# Altium PCB DL-5新款球锁 - 拼板-20201231.PcbDoc (part 8 of 9) (continued)
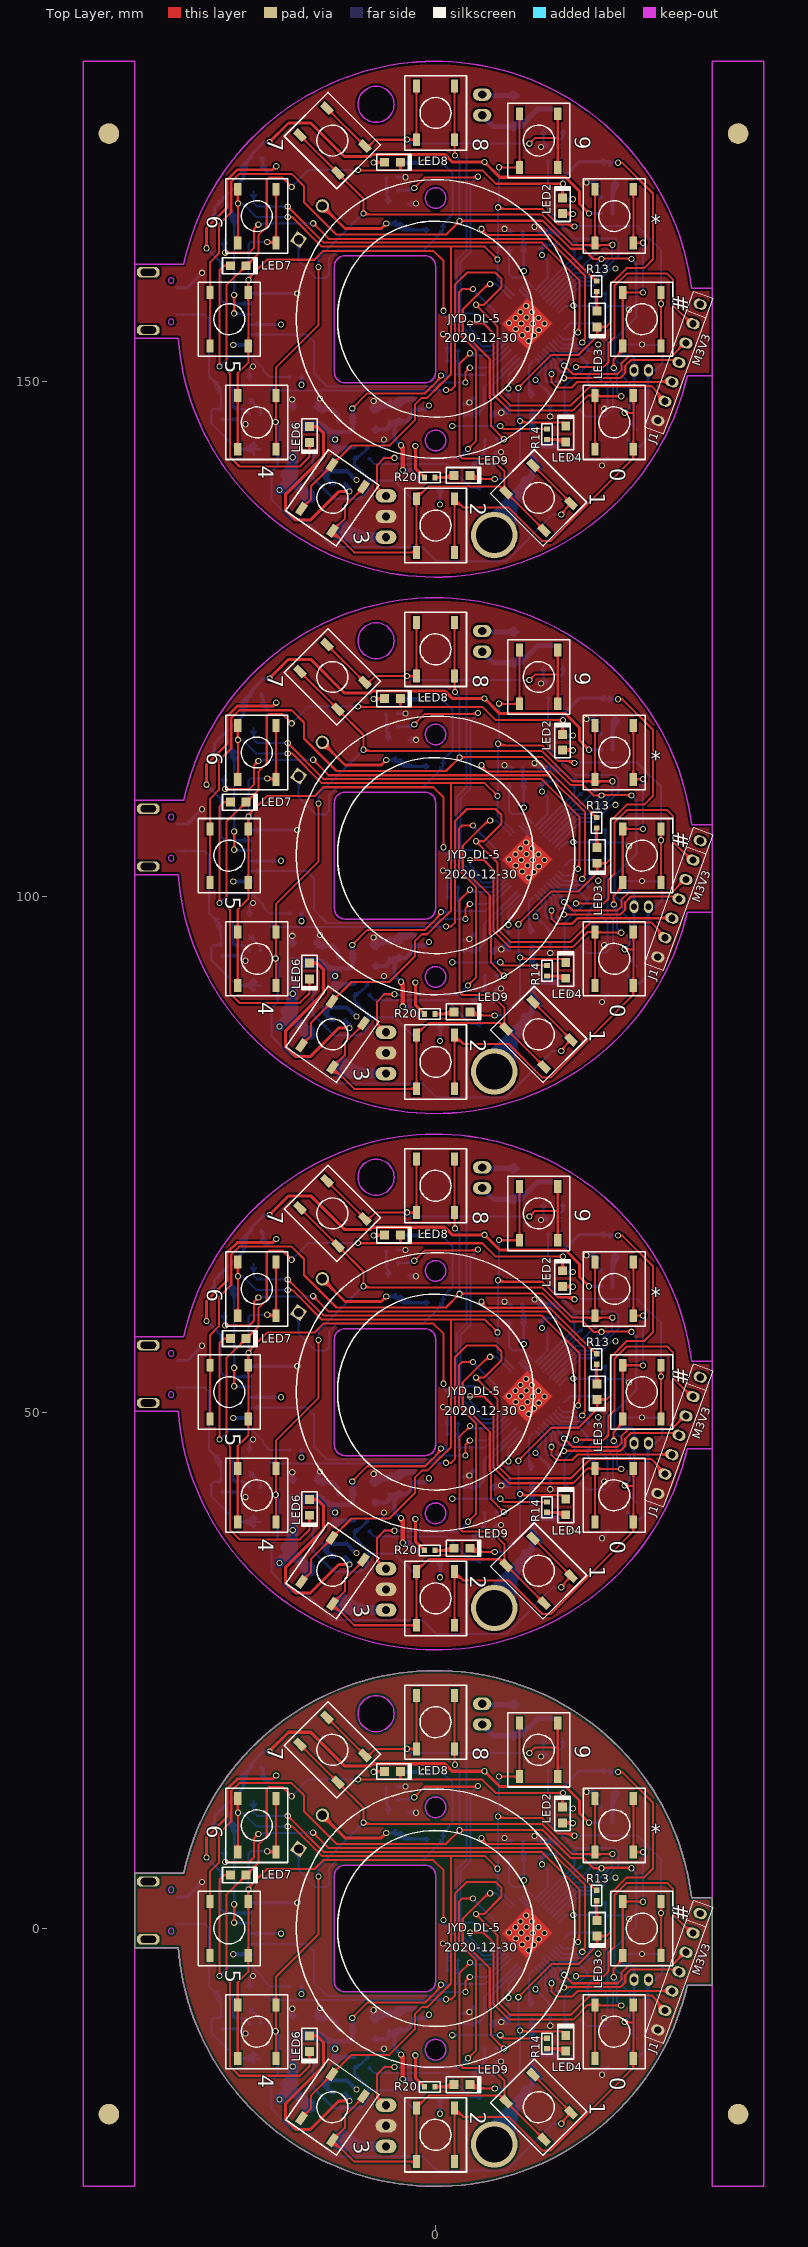
[diagram p0: Top Layer view]
## Nets (pads, with @x,y where several pads share a name; then routed paths per layer and width w, separated by ;. In a path a pad name is that pad's centre, name@x,y a point inside that pad or via, vN(x,y) a via of type N, cw(c..) or ccw(c..) an arc to the next point about the centre after c; other vN are vias at no path point) (continued)
VDD: C28.2 C33.2 C35.2 C36.2 C44.2 L3.2 U1.1 U1.34 U1.47 | length 111.1
  Bottom Layer w0.2: v2@6.915,-6.564 ccw(c6.574,-6.223) 7.057,-6.223 ccw(c7.54,-6.223) v2@7.198,-6.564 ; v2@6.915,45.436 ccw(c6.574,45.777) 7.057,45.777 ccw(c7.54,45.777) v2@7.198,45.436 ; v2@6.915,97.436 ccw(c6.574,97.777) 7.057,97.777 ccw(c7.54,97.777) v2@7.198,97.436 ; v2@6.915,149.436 ccw(c6.574,149.777) 7.057,149.777 ccw(c7.54,149.777) v2@7.198,149.436 ; v2(7.057,-6.706) 7.057,-5.423 U1.1@8.416,-4.063 ; v2(7.057,45.294) 7.057,46.577 U1.1@8.416,47.937 ; v2(7.057,97.294) 7.057,98.577 U1.1@8.416,99.937 ; v2(7.057,149.294) 7.057,150.577 U1.1@8.416,151.937 ; v1@9.595,-5.722 ccw(c9.482,-5.537) 9.698,-5.537 ; v1@9.595,46.278 ccw(c9.482,46.463) 9.698,46.463 ; v1@9.595,98.278 ccw(c9.482,98.463) 9.698,98.463 ; v1@9.595,150.278 ccw(c9.482,150.463) 9.698,150.463 ; U1.47@9.689,-3.781 10.257,-4.349 10.257,-4.978 9.698,-5.537 ; U1.47@9.689,48.219 10.257,47.651 10.257,47.022 9.698,46.463 ; U1.47@9.689,100.219 10.257,99.651 10.257,99.022 9.698,98.463 ; U1.47@9.689,152.219 10.257,151.651 10.257,151.022 9.698,150.463 ; v1(9.698,-5.893) 9.698,-5.537 ; v1(9.698,46.107) 9.698,46.463 ; v1(9.698,98.107) 9.698,98.463 ; v1(9.698,150.107) 9.698,150.463 ; v1@9.802,-5.722 cw(c9.915,-5.537) 9.698,-5.537 ; v1@9.802,46.278 cw(c9.915,46.463) 9.698,46.463 ; v1@9.802,98.278 cw(c9.915,98.463) 9.698,98.463 ; v1@9.802,150.278 cw(c9.915,150.463) 9.698,150.463 ; U1.34@11.952,0.603 12.644,1.295 15.413,1.295 C35.2@15.439,1.27 C36.2@15.439,2.621 ; U1.34@11.952,52.603 12.644,53.295 15.413,53.295 C35.2@15.439,53.27 C36.2@15.439,54.621 ; U1.34@11.952,104.603 12.644,105.295 15.413,105.295 C35.2@15.439,105.27 C36.2@15.439,106.621 ; U1.34@11.952,156.603 12.644,157.295 15.413,157.295 C35.2@15.439,157.27 C36.2@15.439,158.621 ; 12.812,1.295 ccw(c12.812,1.865) v2@13.215,1.462 ; 12.812,53.295 ccw(c12.812,53.865) v2@13.215,53.462 ; 12.812,105.295 ccw(c12.812,105.865) v2@13.215,105.462 ; 12.812,157.295 ccw(c12.812,157.865) v2@13.215,157.462 ; 12.935,1.295 cw(c12.935,0.899) v2@13.215,1.179 ; 12.935,53.295 cw(c12.935,52.899) v2@13.215,53.179 ; 12.935,105.295 cw(c12.935,104.899) v2@13.215,105.179 ; 12.935,157.295 cw(c12.935,156.899) v2@13.215,157.179 ; v2@13.498,1.179 cw(c13.778,0.899) 13.778,1.295 ; v2@13.498,1.462 ccw(c13.9,1.865) 13.9,1.295 ; v2@13.498,53.179 cw(c13.778,52.899) 13.778,53.295 ; v2@13.498,53.462 ccw(c13.9,53.865) 13.9,53.295 ; v2@13.498,105.179 cw(c13.778,104.899) 13.778,105.295 ; v2@13.498,105.462 ccw(c13.9,105.865) 13.9,105.295 ; v2@13.498,157.179 cw(c13.778,156.899) 13.778,157.295 ; v2@13.498,157.462 ccw(c13.9,157.865) 13.9,157.295 ; C35.2@15.33,1.187 ccw(c15.067,0.924) 15.067,1.295 ccw(c15.067,1.667) 15.33,1.404 ccw(c15.067,1.667) 15.439,1.667 ccw(c15.811,1.667) C35.2@15.548,1.404 ; C36.2@15.33,2.487 cw(c15.067,2.224) 15.439,2.224 cw(c15.811,2.224) C36.2@15.548,2.487 ; C35.2@15.33,53.187 ccw(c15.067,52.924) 15.067,53.295 ccw(c15.067,53.667) 15.33,53.404 ccw(c15.067,53.667) 15.439,53.667 ccw(c15.811,53.667) C35.2@15.548,53.404 ; C36.2@15.33,54.487 cw(c15.067,54.224) 15.439,54.224 cw(c15.811,54.224) C36.2@15.548,54.487 ; C35.2@15.33,105.187 ccw(c15.067,104.924) 15.067,105.295 ccw(c15.067,105.667) 15.33,105.404 ccw(c15.067,105.667) 15.439,105.667 ccw(c15.811,105.667) C35.2@15.548,105.404 ; C36.2@15.33,106.487 cw(c15.067,106.224) 15.439,106.224 cw(c15.811,106.224) C36.2@15.548,106.487 ; C35.2@15.33,157.187 ccw(c15.067,156.924) 15.067,157.295 ccw(c15.067,157.667) 15.33,157.404 ccw(c15.067,157.667) 15.439,157.667 ccw(c15.811,157.667) C35.2@15.548,157.404 ; C36.2@15.33,158.487 cw(c15.067,158.224) 15.439,158.224 cw(c15.811,158.224) C36.2@15.548,158.487
  Bottom Layer w0.254: v2@6.935,-6.828 cw(c6.639,-7.123) 7.057,-7.123 cw(c7.475,-7.123) v2@7.179,-6.828 ; v2@6.935,45.172 cw(c6.639,44.877) 7.057,44.877 cw(c7.475,44.877) v2@7.179,45.172 ; v2@6.935,97.172 cw(c6.639,96.877) 7.057,96.877 cw(c7.475,96.877) v2@7.179,97.172 ; v2@6.935,149.172 cw(c6.639,148.877) 7.057,148.877 cw(c7.475,148.877) v2@7.179,149.172 ; C33.2@6.967,-7.454 ccw(c6.75,-7.237) 7.057,-7.237 ccw(c7.363,-7.237) C33.2@7.147,-7.454 ; C33.2@6.967,44.546 ccw(c6.75,44.763) 7.057,44.763 ccw(c7.363,44.763) C33.2@7.147,44.546 ; C33.2@6.967,96.546 ccw(c6.75,96.763) 7.057,96.763 ccw(c7.363,96.763) C33.2@7.147,96.546 ; C33.2@6.967,148.546 ccw(c6.75,148.763) 7.057,148.763 ccw(c7.363,148.763) C33.2@7.147,148.546 ; C33.2@7.057,-7.544 v2(7.057,-6.706) ; C33.2@7.057,44.456 v2(7.057,45.294) ; C33.2@7.057,96.456 v2(7.057,97.294) ; C33.2@7.057,148.456 v2(7.057,149.294) ; L3.2@8.362,6.742 cw(c7.896,6.276) 8.555,6.276 cw(c9.215,6.276) L3.2@8.749,6.742 ; L3.2@8.362,7.228 ccw(c8.142,7.449) 8.454,7.449 ; L3.2@8.362,58.742 cw(c7.896,58.276) 8.555,58.276 cw(c9.215,58.276) L3.2@8.749,58.742 ; L3.2@8.362,59.228 ccw(c8.142,59.449) 8.454,59.449 ; L3.2@8.362,110.742 cw(c7.896,110.276) 8.555,110.276 cw(c9.215,110.276) L3.2@8.749,110.742 ; L3.2@8.362,111.228 ccw(c8.142,111.449) 8.454,111.449 ; L3.2@8.362,162.742 cw(c7.896,162.276) 8.555,162.276 cw(c9.215,162.276) L3.2@8.749,162.742 ; L3.2@8.362,163.228 ccw(c8.142,163.449) 8.454,163.449 ; C44.2@8.364,8.394 cw(c8.147,8.177) 8.454,8.177 cw(c8.76,8.177) C44.2@8.544,8.394 ; C44.2@8.364,60.394 cw(c8.147,60.177) 8.454,60.177 cw(c8.76,60.177) C44.2@8.544,60.394 ; C44.2@8.364,112.394 cw(c8.147,112.177) 8.454,112.177 cw(c8.76,112.177) C44.2@8.544,112.394 ; C44.2@8.364,164.394 cw(c8.147,164.177) 8.454,164.177 cw(c8.76,164.177) C44.2@8.544,164.394 ; v2@8.433,4.796 ccw(c8.138,5.091) 8.555,5.091 ccw(c8.973,5.091) v2@8.678,4.796 ; v2@8.433,56.796 ccw(c8.138,57.091) 8.555,57.091 ccw(c8.973,57.091) v2@8.678,56.796 ; v2@8.433,108.796 ccw(c8.138,109.091) 8.555,109.091 ccw(c8.973,109.091) v2@8.678,108.796 ; v2@8.433,160.796 ccw(c8.138,161.091) 8.555,161.091 ccw(c8.973,161.091) v2@8.678,160.796 ; 8.454,7.939 ccw(c9.46,7.939) L3.2@8.749,7.228 ; C44.2@8.454,8.509 8.454,7.087 L3.2@8.555,6.985 v2(8.555,4.674) ; 8.454,59.939 ccw(c9.46,59.939) L3.2@8.749,59.228 ; C44.2@8.454,60.509 8.454,59.087 L3.2@8.555,58.985 v2(8.555,56.674) ; 8.454,111.939 ccw(c9.46,111.939) L3.2@8.749,111.228 ; C44.2@8.454,112.509 8.454,111.087 L3.2@8.555,110.985 v2(8.555,108.674) ; 8.454,163.939 ccw(c9.46,163.939) L3.2@8.749,163.228 ; C44.2@8.454,164.509 8.454,163.087 L3.2@8.555,162.985 v2(8.555,160.674) ; v1@9.698,-6.066 cw(c9.698,-6.483) 9.994,-6.188 cw(c10.289,-5.893) v1@9.871,-5.893 ; v1(9.698,-5.893) 11.121,-7.315 C28.2@11.121,-7.442 ; v1@9.698,45.934 cw(c9.698,45.517) 9.994,45.812 cw(c10.289,46.107) v1@9.871,46.107 ; v1(9.698,46.107) 11.121,44.685 C28.2@11.121,44.558 ; v1@9.698,97.934 cw(c9.698,97.517) 9.994,97.812 cw(c10.289,98.107) v1@9.871,98.107 ; v1(9.698,98.107) 11.121,96.685 C28.2@11.121,96.558 ; v1@9.698,149.934 cw(c9.698,149.517) 9.994,149.812 cw(c10.289,150.107) v1@9.871,150.107 ; v1(9.698,150.107) 11.121,148.685 C28.2@11.121,148.558 ; 10.771,-6.965 cw(c10.294,-7.442) C28.2@10.968,-7.442 ; 10.771,45.035 cw(c10.294,44.558) C28.2@10.968,44.558 ; 10.771,97.035 cw(c10.294,96.558) C28.2@10.968,96.558 ; 10.771,149.035 cw(c10.294,148.558) C28.2@10.968,148.558
  other v2: 13.356,1.321 13.356,53.321 13.356,105.321 13.356,157.321
VDD3V3: Q2.D Q3.G Q4.G R41.2 R44.2 R53.1 | length 246.5
  Top Layer w0.3: v1(-16.108,17.17) -14.254,19.025 -12.095,19.025 -8.841,15.771 -6.308,15.771 -6.102,15.976 0.883,15.976 1.614,15.245 v1(4.739,15.245) 6.218,13.766 8.633,13.766 ; v1@-16.108,17.32 ccw(c-16.108,17.683) -15.852,17.426 ccw(c-15.596,17.17) v1@-15.958,17.17 ; v1(-16.108,69.17) -14.254,71.025 -12.095,71.025 -8.841,67.771 -6.308,67.771 -6.102,67.976 0.883,67.976 1.614,67.245 v1(4.739,67.245) 6.218,65.766 8.633,65.766 ; v1@-16.108,69.32 ccw(c-16.108,69.683) -15.852,69.426 ccw(c-15.596,69.17) v1@-15.958,69.17 ; v1(-16.108,121.17) -14.254,123.025 -12.095,123.025 -8.841,119.771 -6.308,119.771 -6.102,119.976 0.883,119.976 1.614,119.245 v1(4.739,119.245) 6.218,117.766 8.633,117.766 ; v1@-16.108,121.32 ccw(c-16.108,121.683) -15.852,121.426 ccw(c-15.596,121.17) v1@-15.958,121.17 ; v1(-16.108,173.17) -14.254,175.025 -12.095,175.025 -8.841,171.771 -6.308,171.771 -6.102,171.976 0.883,171.976 1.614,171.245 v1(4.739,171.245) 6.218,169.766 8.633,169.766 ; v1@-16.108,173.32 ccw(c-16.108,173.683) -15.852,173.426 ccw(c-15.596,173.17) v1@-15.958,173.17 ; v1@4.632,15.139 ccw(c4.376,14.883) 4.376,15.245 ccw(c4.376,15.607) v1@4.632,15.351 ; v1@4.632,67.139 ccw(c4.376,66.883) 4.376,67.245 ccw(c4.376,67.607) v1@4.632,67.351 ; v1@4.632,119.139 ccw(c4.376,118.883) 4.376,119.245 ccw(c4.376,119.607) v1@4.632,119.351 ; v1@4.632,171.139 ccw(c4.376,170.883) 4.376,171.245 ccw(c4.376,171.607) v1@4.632,171.351 ; v1@4.739,15.095 cw(c4.739,14.733) 4.995,14.989 cw(c5.251,15.245) v1@4.889,15.245 ; v1@4.739,67.095 cw(c4.739,66.733) 4.995,66.989 cw(c5.251,67.245) v1@4.889,67.245 ; v1@4.739,119.095 cw(c4.739,118.733) 4.995,118.989 cw(c5.251,119.245) v1@4.889,119.245 ; v1@4.739,171.095 cw(c4.739,170.733) 4.995,170.989 cw(c5.251,171.245) v1@4.889,171.245 ; 8.634,13.767 11.359,13.767 ; 8.634,65.767 11.359,65.767 ; 8.634,117.767 11.359,117.767 ; 8.634,169.767 11.359,169.767 ; 11.36,13.766 12.597,13.766 13.961,12.402 13.961,11.181 v1(14.88,10.262) ; 11.36,65.766 12.597,65.766 13.961,64.402 13.961,63.181 v1(14.88,62.262) ; 11.36,117.766 12.597,117.766 13.961,116.402 13.961,115.181 v1(14.88,114.262) ; 11.36,169.766 12.597,169.766 13.961,168.402 13.961,167.181 v1(14.88,166.262) ; v1@14.73,10.262 ccw(c14.368,10.262) 14.624,10.518 ccw(c14.88,10.774) v1@14.88,10.412 ; v1@14.73,62.262 ccw(c14.368,62.262) 14.624,62.518 ccw(c14.88,62.774) v1@14.88,62.412 ; v1@14.73,114.262 ccw(c14.368,114.262) 14.624,114.518 ccw(c14.88,114.774) v1@14.88,114.412 ; v1@14.73,166.262 ccw(c14.368,166.262) 14.624,166.518 ccw(c14.88,166.774) v1@14.88,166.412
  Bottom Layer w0.3: Q3.G@-21.644,9.971 ccw(c-22.168,10.495) -21.427,10.495 ccw(c-20.685,10.495) Q3.G@-21.209,9.971 ; Q3.G@-21.644,61.971 ccw(c-22.168,62.495) -21.427,62.495 ccw(c-20.685,62.495) Q3.G@-21.209,61.971 ; Q3.G@-21.644,113.971 ccw(c-22.168,114.495) -21.427,114.495 ccw(c-20.685,114.495) Q3.G@-21.209,113.971 ; Q3.G@-21.644,165.971 ccw(c-22.168,166.495) -21.427,166.495 ccw(c-20.685,166.495) Q3.G@-21.209,165.971 ; Q3.G@-21.427,9.754 -21.427,10.861 R41.2@-20.985,11.303 -20.375,11.912 -20.35,11.912 -18.607,13.655 Q4.G@-18.607,14.427 -18.607,15.001 ; Q3.G@-21.427,61.754 -21.427,62.861 R41.2@-20.985,63.303 -20.375,63.912 -20.35,63.912 -18.607,65.655 Q4.G@-18.607,66.427 -18.607,67.001 ; Q3.G@-21.427,113.754 -21.427,114.861 R41.2@-20.985,115.303 -20.375,115.912 -20.35,115.912 -18.607,117.655 Q4.G@-18.607,118.427 -18.607,119.001 ; Q3.G@-21.427,165.754 -21.427,166.861 R41.2@-20.985,167.303 -20.375,167.912 -20.35,167.912 -18.607,169.655 Q4.G@-18.607,170.427 -18.607,171.001 ; R41.2@-21.206,11.082 cw(c-20.985,10.861) R41.2@-20.985,11.174 ; R41.2@-21.206,63.082 cw(c-20.985,62.861) R41.2@-20.985,63.174 ; R41.2@-21.206,115.082 cw(c-20.985,114.861) R41.2@-20.985,115.174 ; R41.2@-21.206,167.082 cw(c-20.985,166.861) R41.2@-20.985,167.174 ; R41.2@-20.985,11.432 ccw(c-20.985,11.745) R41.2@-20.764,11.524 ; R41.2@-20.985,63.432 ccw(c-20.985,63.745) R41.2@-20.764,63.524 ; R41.2@-20.985,115.432 ccw(c-20.985,115.745) R41.2@-20.764,115.524 ; R41.2@-20.985,167.432 ccw(c-20.985,167.745) R41.2@-20.764,167.524 ; Q4.G@-18.896,14.38 cw(c-18.339,14.471) Q4.G@-18.738,14.87 ; Q4.G@-18.896,66.38 cw(c-18.339,66.471) Q4.G@-18.738,66.87 ; Q4.G@-18.896,118.38 cw(c-18.339,118.471) Q4.G@-18.738,118.87 ; Q4.G@-18.896,170.38 cw(c-18.339,170.471) Q4.G@-18.738,170.87 ; Q4.G@-18.825,14.21 cw(c-19.349,13.686) -18.607,13.686 cw(c-17.866,13.686) Q4.G@-18.39,14.21 ; Q4.G@-18.825,66.21 cw(c-19.349,65.686) -18.607,65.686 cw(c-17.866,65.686) Q4.G@-18.39,66.21 ; Q4.G@-18.825,118.21 cw(c-19.349,117.686) -18.607,117.686 cw(c-17.866,117.686) Q4.G@-18.39,118.21 ; Q4.G@-18.825,170.21 cw(c-19.349,169.686) -18.607,169.686 cw(c-17.866,169.686) Q4.G@-18.39,170.21 ; Q4.G@-18.778,14.683 ccw(c-18.99,15.001) -18.607,15.001 ; Q4.G@-18.778,66.683 ccw(c-18.99,67.001) -18.607,67.001 ; Q4.G@-18.778,118.683 ccw(c-18.99,119.001) -18.607,119.001 ; Q4.G@-18.778,170.683 ccw(c-18.99,171.001) -18.607,171.001 ; Q4.G@-18.6,14.428 cw(c-17.629,14.588) -18.325,15.284 ; Q4.G@-18.6,66.428 cw(c-17.629,66.588) -18.325,67.284 ; Q4.G@-18.6,118.428 cw(c-17.629,118.588) -18.325,119.284 ; Q4.G@-18.6,170.428 cw(c-17.629,170.588) -18.325,171.284 ; Q4.G@-18.437,14.683 cw(c-18.225,15.001) -18.607,15.001 ; Q4.G@-18.437,66.683 cw(c-18.225,67.001) -18.607,67.001 ; Q4.G@-18.437,118.683 cw(c-18.225,119.001) -18.607,119.001 ; Q4.G@-18.437,170.683 cw(c-18.225,171.001) -18.607,171.001 ; Q4.G@-18.304,14.477 cw(c-16.918,14.704) R44.2@-17.911,15.697 ; Q4.G@-18.304,66.477 cw(c-16.918,66.704) R44.2@-17.911,67.697 ; Q4.G@-18.304,118.477 cw(c-16.918,118.704) R44.2@-17.911,119.697 ; Q4.G@-18.304,170.477 cw(c-16.918,170.704) R44.2@-17.911,171.697 ; R44.2@-18.132,15.476 cw(c-17.911,15.255) R44.2@-17.911,15.568 ; R44.2@-18.132,67.476 cw(c-17.911,67.255) R44.2@-17.911,67.568 ; R44.2@-18.132,119.476 cw(c-17.911,119.255) R44.2@-17.911,119.568 ; R44.2@-18.132,171.476 cw(c-17.911,171.255) R44.2@-17.911,171.568 ; R44.2@-18.063,15.434 cw(c-17.808,15.287) R44.2@-17.884,15.571 ; R44.2@-18.063,67.434 cw(c-17.808,67.287) R44.2@-17.884,67.571 ; R44.2@-18.063,119.434 cw(c-17.808,119.287) R44.2@-17.884,119.571 ; R44.2@-18.063,171.434 cw(c-17.808,171.287) R44.2@-17.884,171.571 ; R44.2@-17.807,15.723 cw(c-17.127,15.723) -17.608,16.204 ; R44.2@-17.807,67.723 cw(c-17.127,67.723) -17.608,68.204 ; R44.2@-17.807,119.723 cw(c-17.127,119.723) -17.608,120.204 ; R44.2@-17.807,171.723 cw(c-17.127,171.723) -17.608,172.204 ; v1@-16.214,17.064 ccw(c-16.47,16.808) -16.47,17.17 ccw(c-16.47,17.533) v1@-16.214,17.276 ; v1@-16.214,69.064 ccw(c-16.47,68.808) -16.47,69.17 ccw(c-16.47,69.533) v1@-16.214,69.276 ; v1@-16.214,121.064 ccw(c-16.47,120.808) -16.47,121.17 ccw(c-16.47,121.533) v1@-16.214,121.276 ; v1@-16.214,173.064 ccw(c-16.47,172.808) -16.47,173.17 ccw(c-16.47,173.533) v1@-16.214,173.276 ; v1(-16.108,17.17) -16.641,17.17 -17.911,15.9 R44.2@-17.911,15.697 ; v1(-16.108,69.17) -16.641,69.17 -17.911,67.9 R44.2@-17.911,67.697 ; v1(-16.108,121.17) -16.641,121.17 -17.911,119.9 R44.2@-17.911,119.697 ; v1(-16.108,173.17) -16.641,173.17 -17.911,171.9 R44.2@-17.911,171.697 ; Q2.D@0.236,-16.676 cw(c-0.289,-17.201) 0.453,-17.201 cw(c1.195,-17.201) Q2.D@0.67,-16.676 ; Q2.D@0.236,35.324 cw(c-0.289,34.799) 0.453,34.799 cw(c1.195,34.799) Q2.D@0.67,35.324 ; Q2.D@0.236,87.324 cw(c-0.289,86.799) 0.453,86.799 cw(c1.195,86.799) Q2.D@0.67,87.324 ; Q2.D@0.236,139.324 cw(c-0.289,138.799) 0.453,138.799 cw(c1.195,138.799) Q2.D@0.67,139.324 ; v1@0.321,-17.852 ccw(c0.004,-17.534) 0.453,-17.534 ; v1@0.321,34.148 ccw(c0.004,34.466) 0.453,34.466 ; v1@0.321,86.148 ccw(c0.004,86.466) 0.453,86.466 ; v1@0.321,138.148 ccw(c0.004,138.466) 0.453,138.466 ; v1(0.427,-17.958) 0.453,-17.932 Q2.D@0.453,-16.459 ; v1(0.427,34.042) 0.453,34.068 Q2.D@0.453,35.541 ; v1(0.427,86.042) 0.453,86.068 Q2.D@0.453,87.541 ; v1(0.427,138.042) 0.453,138.068 Q2.D@0.453,139.541 ; 0.453,-17.657 ccw(c0.728,-17.657) v1@0.534,-17.852 ; 0.453,34.343 ccw(c0.728,34.343) v1@0.534,34.148 ; 0.453,86.343 ccw(c0.728,86.343) v1@0.534,86.148 ; 0.453,138.343 ccw(c0.728,138.343) v1@0.534,138.148 ; v1@4.644,15.215 4.674,15.245 v1(4.739,15.245) ; v1@4.644,67.215 4.674,67.245 v1(4.739,67.245) ; v1@4.644,119.215 4.674,119.245 v1(4.739,119.245) ; v1@4.644,171.215 4.674,171.245 v1(4.739,171.245) ; v1(14.88,10.262) R53.1@16.15,10.262 ; v1(14.88,62.262) R53.1@16.15,62.262 ; v1(14.88,114.262) R53.1@16.15,114.262 ; v1(14.88,166.262) R53.1@16.15,166.262 ; v1@14.986,10.156 cw(c15.242,9.899) 15.242,10.262 cw(c15.242,10.624) v1@14.986,10.368 ; v1@14.986,62.156 cw(c15.242,61.899) 15.242,62.262 cw(c15.242,62.624) v1@14.986,62.368 ; v1@14.986,114.156 cw(c15.242,113.899) 15.242,114.262 cw(c15.242,114.624) v1@14.986,114.368 ; v1@14.986,166.156 cw(c15.242,165.899) 15.242,166.262 cw(c15.242,166.624) v1@14.986,166.368 ; -18.607,15.001 R44.2@-17.911,15.697 ; -18.607,67.001 R44.2@-17.911,67.697 ; -18.607,119.001 R44.2@-17.911,119.697 ; -18.607,171.001 R44.2@-17.911,171.697
pads on no net: J3.7 J3.8 P2.2 P2.3 P2.4 P2.6 P2.7 P2.8 P2.9 U1.14 U1.22 U1.35 U1.36 U1.38 UB1. UB1.3 UB1.7 Y2.3

## Polygon pours and split planes (outlines as drawn)
GND on Bottom Layer "Top Layer-No Net" (solid, remove dead copper, pour order 4): -31.246,181.933 26.335,181.933 28.012,180.257 28.012,132.226 25.7,129.914 -28.63,129.914 -31.246,132.53
GND on Bottom Layer "Top Layer-No Net" (solid, remove dead copper, pour order 4): -31.246,129.933 26.335,129.933 28.012,128.257 28.012,80.226 25.7,77.914 -28.63,77.914 -31.246,80.53
GND on Bottom Layer "Top Layer-No Net" (solid, remove dead copper, pour order 4): -31.246,77.933 26.335,77.933 28.012,76.257 28.012,28.226 25.7,25.914 -28.63,25.914 -31.246,28.53
GND on Bottom Layer "Top Layer-No Net" (solid, remove dead copper, pour order 4): -31.246,25.933 26.335,25.933 28.012,24.257 28.012,-23.774 25.7,-26.086 -28.63,-26.086 -31.246,-23.47
GND on Top Layer "Top Layer-No Net" (solid, remove dead copper, pour order 3): -31.251,181.933 26.331,181.933 28.008,180.257 28.008,132.226 25.696,129.914 -28.634,129.914 -31.251,132.53
GND on Top Layer "Top Layer-No Net" (solid, remove dead copper, pour order 3): -31.251,129.933 26.331,129.933 28.008,128.257 28.008,80.226 25.696,77.914 -28.634,77.914 -31.251,80.53
GND on Top Layer "Top Layer-No Net" (solid, remove dead copper, pour order 3): -31.251,77.933 26.331,77.933 28.008,76.257 28.008,28.226 25.696,25.914 -28.634,25.914 -31.251,28.53
GND on Top Layer "Top Layer-No Net" (solid, remove dead copper, pour order 3): -31.251,25.933 26.331,25.933 28.008,24.257 28.008,-23.774 25.696,-26.086 -28.634,-26.086 -31.251,-23.47
VDD3V3 on POWER (split plane): 14.628,4.724 14.628,-5.153 12.159,-7.622 7.487,-7.622 7.422,-7.63 7.369,-7.652 6.674,-6.957 6.674,3.429 6.674,4.798 7.136,5.26 14.628,5.26
VDD3V3 on POWER (split plane): 7.694,14.678 7.694,5.764 7.031,5.764 6.966,5.755 6.905,5.73 6.853,5.69 6.244,5.081 6.204,5.028 6.178,4.967 6.17,4.902 6.17,4.623 6.17,3.429 6.17,-7.061 6.178,-7.126 6.204,-7.187 6.244,-7.24 7.056,-8.052 7.109,-8.092 7.169,-8.118 7.235,-8.126 7.235,-14.756 2.965,-19.026 -2.572,-19.026 -2.572,-16.335 0.65,-13.114 0.695,-13.095 0.71,-13.087 0.726,-13.081 0.754,-13.063 0.784,-13.048 0.797,-13.037 0.811,-13.028 1.02,-12.868 1.032,-12.856 1.045,-12.847 1.068,-12.822 1.093,-12.799 1.102,-12.786 1.114,-12.774 1.274,-12.565 1.283,-12.551 1.294,-12.538 1.309,-12.508 1.327,-12.48 1.333,-12.464 1.341,-12.449 1.36,-12.404 4.644,-9.119 4.684,-9.067 4.71,-9.006 4.718,-8.941 4.718,5.283 4.718,6.931 5.559,7.772 5.599,7.824 5.624,7.885 5.633,7.95 5.633,9.804 5.624,9.87 5.599,9.93 5.559,9.983 4.086,11.456 4.033,11.496 3.973,11.521 3.907,11.53 2.412,11.53 1.873,12.068 1.873,14.043 3.453,15.623 6.749,15.623
VDD3V3 on POWER (split plane): -6.736,-13.36 -13.688,-20.312 -13.918,-20.164 -15.11,-19.287 -16.247,-18.339 -17.325,-17.325 -18.339,-16.247 -19.287,-15.11 -19.692,-14.558 -16.308,-11.174 -8.923,-11.174
VDD3V3 on POWER (split plane): 398 vertices, not listed, extent -23.304,-24.303 13.764,22.43
VDD3V3 on POWER (split plane): 367 vertices, not listed, extent -28.649,-24.501 26.322,24.501
GND on GND (split plane): 233 vertices, not listed, extent -28.649,-24.501 26.322,24.501

## Keep-outs
Keep-Out Layer:
  circle w0.15: c-0.004,144.25 r1
  circle w0.15: c-0.004,167.75 r1
  circle w0.127: c-5.768,176.828 r1.75
  circle w0.15: c-0.004,92.25 r1
  circle w0.15: c-0.004,115.75 r1
  circle w0.127: c-5.768,124.828 r1.75
  circle w0.15: c-0.004,40.25 r1
  circle w0.15: c-0.004,63.75 r1
  circle w0.127: c-5.768,72.828 r1.75
  circle w0.15: c-0.004,-11.75 r1
  circle w0.15: c-0.004,11.75 r1
  circle w0.127: c-5.768,20.828 r1.75
  lines w0.127: -9.799,-5.15 ccw(c-8.799,-5.15) -8.799,-6.15 -1.004,-6.15 ccw(c-1.004,-5.15) -0.004,-5.15 -0.004,5.15 ccw(c-1.004,5.15) -1.004,6.15 -8.799,6.15 ccw(c-8.799,5.15) -9.799,5.15 -9.799,-5.15 ; -9.799,46.85 ccw(c-8.799,46.85) -8.799,45.85 -1.004,45.85 ccw(c-1.004,46.85) -0.004,46.85 -0.004,57.15 ccw(c-1.004,57.15) -1.004,58.15 -8.799,58.15 ccw(c-8.799,57.15) -9.799,57.15 -9.799,46.85 ; -9.799,98.85 ccw(c-8.799,98.85) -8.799,97.85 -1.004,97.85 ccw(c-1.004,98.85) -0.004,98.85 -0.004,109.15 ccw(c-1.004,109.15) -1.004,110.15 -8.799,110.15 ccw(c-8.799,109.15) -9.799,109.15 -9.799,98.85 ; -9.799,150.85 ccw(c-8.799,150.85) -8.799,149.85 -1.004,149.85 ccw(c-1.004,150.85) -0.004,150.85 -0.004,161.15 ccw(c-1.004,161.15) -1.004,162.15 -8.799,162.15 ccw(c-8.799,161.15) -9.799,161.15 -9.799,150.85
  lines w0.15: -24.936,-1.851 ccw(c-0.004,0) 24.384,-5.495 ; -24.936,-1.85 -29.164,-1.85 -29.164,5.35 -24.425,5.35 ; -24.936,50.149 ccw(c-0.004,52) 24.384,46.505 ; -24.936,50.15 -29.164,50.15 -29.164,57.35 -24.425,57.35 ; -24.936,102.149 ccw(c-0.004,104) 24.384,98.505 ; -24.936,102.15 -29.164,102.15 -29.164,109.35 -24.425,109.35 ; -24.936,154.149 ccw(c-0.004,156) 24.384,150.505 ; -24.936,154.15 -29.164,154.15 -29.164,161.35 -24.425,161.35 ; -24.425,5.352 cw(c-0.004,0) 24.815,2.998 ; -24.425,57.352 cw(c-0.004,52) 24.815,54.998 ; -24.425,109.352 cw(c-0.004,104) 24.815,106.998 ; -24.425,161.352 cw(c-0.004,156) 24.815,158.998 ; 24.405,-5.5 26.828,-5.5 26.828,3 24.837,3 ; 24.405,46.5 26.828,46.5 26.828,55 24.837,55 ; 24.405,98.5 26.828,98.5 26.828,107 24.837,107 ; 24.405,150.5 26.828,150.5 26.828,159 24.837,159 ; -34.164,-25 -29.164,-25 -29.164,181 -34.164,181 -34.164,-25 ; 26.828,-25 31.828,-25 31.828,181 26.828,181 26.828,-25

## Other copper
Top Layer:
  region net GND: 8.854,153.123 11.324,155.594 8.886,158.032 6.416,155.562
  region net GND: 8.854,101.123 11.324,103.594 8.886,106.032 6.416,103.561
  region net GND: 8.854,49.123 11.324,51.594 8.886,54.032 6.416,51.561
  region net GND: 8.854,-2.877 11.324,-0.406 8.886,2.032 6.416,-0.439
Bottom Layer:
  pour cut-out: 25.599,162.909 27.986,160.521 27.986,148.863 26.97,147.847 22.246,147.847 21.84,148.253 21.84,162.147 22.602,162.909
  pour cut-out: 25.599,110.909 27.986,108.521 27.986,96.863 26.97,95.847 22.246,95.847 21.84,96.253 21.84,110.147 22.602,110.909
  pour cut-out: 25.599,58.909 27.986,56.521 27.986,44.863 26.97,43.847 22.246,43.847 21.84,44.253 21.84,58.147 22.602,58.909
  pour cut-out: 25.599,6.909 27.986,4.521 27.986,-7.137 26.97,-8.153 22.246,-8.153 21.84,-7.747 21.84,6.147 22.602,6.909